# Altium PCB RFFE-Ver1A.PcbDoc (part 5 of 7)
Units mm, origin at the board's own origin, x right, y up, seen from the top; angles counter-clockwise.
Board outline 301.4 x 196.6 mm, 10 copper layers (RFsignal Top, Ground RF signal, Supply, SupplyGND, Digital signal, DigitalGND, CallTone RF, Ground Calltone, Ground RF signal (Plane6), RFsignal Bottom), stack 1.907 mm thick; 558 components, 369 nets, 2153 pads, 4580 vias.
Unrouted connection lines stored in the file: 1.
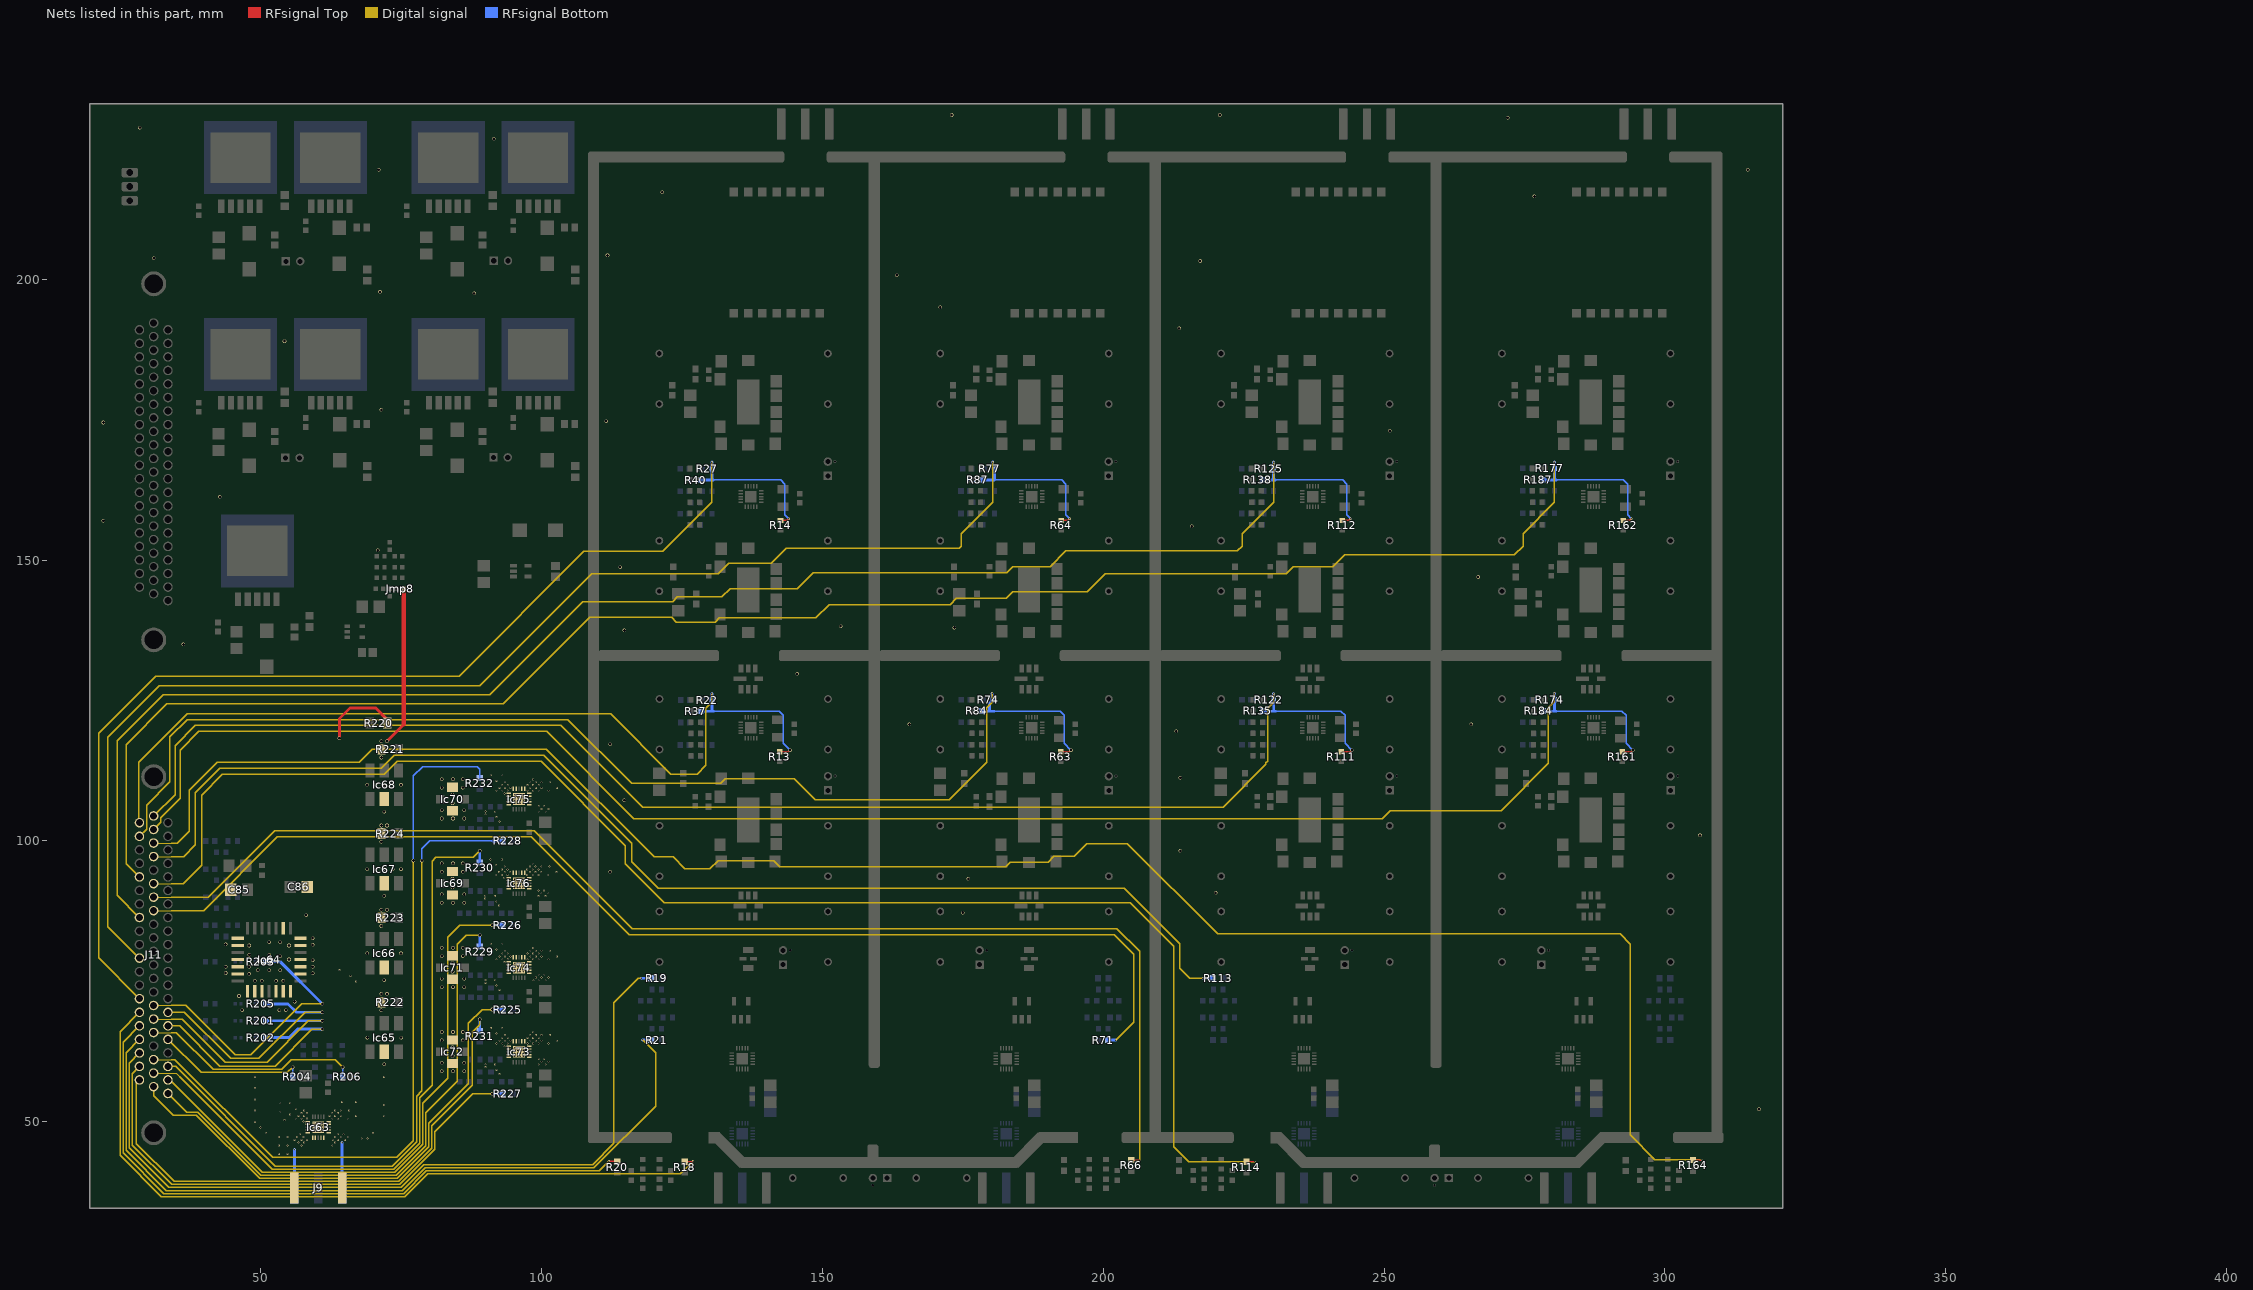
[diagram p13: the nets of this part, all layers, seen from the top]

## Via types
v1: diameter 0.35, hole 0.254, RFsignal Top to RFsignal Bottom, 1882 vias
v2: diameter 0.635, hole 0.508, RFsignal Top to RFsignal Bottom, 1038 vias
v3: diameter 0.33, hole 0.254, RFsignal Top to RFsignal Bottom, 963 vias
v4: diameter 0.381, hole 0.254, RFsignal Top to RFsignal Bottom, 596 vias
v5: diameter 1.27, hole 0.762, RFsignal Top to RFsignal Bottom, 41 vias
v6: diameter 3.9, hole 2.65, RFsignal Top to RFsignal Bottom, 20 vias
v7: diameter 0.85, hole 0.8, RFsignal Top to RFsignal Bottom, 15 vias
v8: diameter 0.635, hole 0.508, RFsignal Top to RFsignal Bottom, tented bottom, 9 vias
v9: diameter 0.6, hole 0.508, RFsignal Top to RFsignal Bottom, 8 vias
v10: diameter 5, hole 3.5, RFsignal Top to RFsignal Bottom, 4 vias
v11: diameter 1.1, hole 1, RFsignal Top to RFsignal Bottom, 2 vias
v12: diameter 1.27, hole 0.762, RFsignal Top to RFsignal Bottom, tented top, 1 vias
v13: diameter 0.85, hole 0.8, RFsignal Top to RFsignal Bottom, tented top, 1 vias

## Nets (pads, with @x,y where several pads share a name; then routed paths per layer and width w, separated by ;. In a path a pad name is that pad's centre, name@x,y a point inside that pad or via, vN(x,y) a via of type N, cw(c..) or ccw(c..) an arc to the next point about the centre after c; other vN are vias at no path point) (continued)
NetJ11_15: J11.15 R205.1 | length 45.1
  Digital signal w0.254: J11.15@33.5,69.51 36.42,69.51 44.639,61.291 49.689,61.291 57.897,69.5 v2(61,69.5)
  RFsignal Bottom w0.508: R205.1@50.85,71 54.9,71 56.4,69.5 v2(61,69.5)
NetJ11_16: J11.16 R202.1 | length 44
  Digital signal w0.254: J11.16@33.5,67.1 35.6,67.1 42.76,59.94 52.58,59.94 59.14,66.5 v2(61,66.5)
  RFsignal Bottom w0.508: R202.1@50.85,65 55.1,65 56.6,66.5 v2(61,66.5)
NetJ11_17: J11.17 R204.1 | length 26.8
  Digital signal w0.254: J11.17@33.5,64.69 39.404,58.786 54.736,58.786 v2(55.7,59.75)
  RFsignal Bottom w0.254: R204.1@55.7,58.02 v2(55.7,59.75)
NetJ11_19: J11.19 R228.2 | length 120.9
  Digital signal w0.254: J11.19@33.5,59.87 34.85,59.87 52.59,42.13 73.439,42.13 77.75,46.441 77.75,54.551 78.7,55.501 v2(78.7,96.5)
  RFsignal Bottom w0.254: v2(78.7,96.5) 78.7,98.6 80.1,100 91.25,100
  RFsignal Bottom w0.508: 91.25,100 R228.2@93.05,100
NetJ11_20: J11.20 R226.2 | length 103.6
  Digital signal w0.254: J11.20@33.5,57.46 33.851,57.46 50.269,41.042 73.89,41.042 78.838,45.99 78.838,53.298 83.31,57.77 83.31,82.9 85.41,85 v2(91.25,85)
  RFsignal Bottom w0.508: v2(91.25,85) R226.2@93.05,85
NetJ11_21: J11.21 R229.2 | length 99
  Digital signal w0.254: J11.21@33.5,55.05 36.805,51.745 38.797,51.745 50.044,40.498 74.115,40.498 79.382,45.765 79.382,51.602 85.01,57.23 85.01,81.62 86.64,83.25 v2(89,83.25)
  RFsignal Bottom w0.508: R229.2@89,81.2 v2(89,83.25)
NetJ11_22: J11.22 R111.1 R122.2 R135.2 | length 259.1
  RFsignal Top w0.254: R111.1@242.41,115.89 243.97,115.89 v2(244.26,116.18)
  Digital signal w0.254: J11.22@30.96,104.455 34.77,108.265 34.77,116.97 38.4,120.6 103.4,120.6 118,106 221.347,106 228.972,113.625 228.972,113.895 229.298,114.221 229.298,123.658 230.33,124.69 v4(230.33,126.27)
  RFsignal Bottom w0.254: 230.65,123.1 242.33,123.1 243.08,122.35 243.08,117.36 v2(244.26,116.18)
  RFsignal Bottom w0.508: R135.2@228.35,123.1 230.65,123.1 ; R122.2@230.33,125.12 v4(230.33,126.27) ; 230.35,123.11 R122.2@230.35,125.15
NetJ11_23: J11.23 R161.1 R174.2 R184.2 | length 311.3
  RFsignal Top w0.254: R161.1@292.41,115.89 293.97,115.89 v2(294.26,116.18)
  Digital signal w0.254: J11.23@30.96,102.045 32.227,103.312 32.227,104.137 35.68,107.59 35.68,116.16 39.02,119.5 100.9,119.5 116.444,103.956 249.646,103.956 251.097,105.407 270.828,105.407 279.248,113.827 279.248,123.708 280.33,124.79 v4(280.33,126.32)
  RFsignal Bottom w0.254: 280.65,123.1 292.33,123.1 293.08,122.35 293.08,117.36 v2(294.26,116.18)
  RFsignal Bottom w0.508: R184.2@278.35,123.1 280.65,123.1 ; R174.2@280.33,125.12 v4@280.33,126.27 ; 280.35,123.12 R174.2@280.35,125.15
NetJ11_24: J11.24 R164.2 | length 343
  RFsignal Top w0.254: R164.2@305,43.2 306.45,43.2 v3(306.5,43.25)
  Digital signal w0.127: J11.24@30.96,99.635 34.087,99.635
  Digital signal w0.254: 34.087,99.635 35.175,99.635 37.312,101.772 37.312,109.071 42.276,114.035 67.554,114.035 69.885,116.366 100.85,116.366 120.059,97.157 123.433,97.157 125.536,95.054 129.995,95.054 131.455,96.514 141.366,96.514 142.445,95.435 182.665,95.435 183.488,96.257 190.172,96.257 191.16,97.245 194.856,97.245 197.105,99.494 204.297,99.494 220.347,83.444 292.025,83.444 293.808,81.661 293.808,47.662 298.22,43.25 v3(306.5,43.25)
NetJ11_25: J11.25 R113.1 | length 222.4
  Digital signal w0.127: J11.25@30.96,97.225 34.087,97.225
  Digital signal w0.254: 34.087,97.225 36.295,97.225 38.4,99.33 38.4,108.621 42.726,112.947 71.454,112.947 73.785,115.278 100.399,115.278 116.11,99.567 116.11,96.292 120.78,91.622 203.746,91.622 213.632,81.736 213.632,77.38 215.412,75.6 v3(217.75,75.6)
  RFsignal Bottom w0.508: v3@217.77,75.57 R113.1@219.55,75.57
NetJ11_27: J11.27 R114.2 | length 266.3
  RFsignal Top w0.254: R114.2@225.5,42.9 v3(227,42.9)
  Digital signal w0.127: J11.27@30.96,92.405 34.087,92.405
  Digital signal w0.254: 34.087,92.405 36.215,92.405 39.488,95.678 39.488,108.17 43.177,111.859 72.009,111.859 74.34,114.19 99.949,114.19 114.948,99.191 114.948,95.915 121.813,89.05 204.779,89.05 212.544,81.285 212.544,45.56 215.204,42.9 v3(227,42.9)
NetJ11_28: J11.28 R66.2 | length 228
  RFsignal Top w0.254: R66.2@205,43.15 v3(206.5,43.15)
  Digital signal w0.127: J11.28@30.96,89.995 34.087,89.995
  Digital signal w0.254: 34.087,89.995 40.712,89.995 52.532,101.815 98.709,101.815 116.129,84.396 202.454,84.396 206.5,80.35 v3(206.5,43.15)
NetJ11_29: J11.29 R71.1 | length 206.6
  Digital signal w0.127: J11.29@30.96,87.585 34.087,87.585
  Digital signal w0.254: 34.087,87.585 39.841,87.585 52.983,100.727 98.214,100.727 115.665,83.276 201.991,83.276 205.412,79.855 205.412,67.712 v3(202.25,64.55)
  RFsignal Bottom w0.508: R71.1@200.8,64.57 v3@202.23,64.57
NetJ11_36: J11.36 R203.1 | length 50.7
  Digital signal w0.127: J11.36@30.96,70.715 34.087,70.715
  Digital signal w0.254: 34.087,70.715 36.675,70.715 45.443,61.947 48.223,61.947 57.276,71 v2(61,71)
  RFsignal Bottom w0.508: R203.1@50.85,78.5 53.5,78.5 v2(61,71)
NetJ11_37: J11.37 R201.1 | length 46.4
  Digital signal w0.127: J11.37@30.96,68.305 34.087,68.305
  Digital signal w0.254: 34.087,68.305 36.065,68.305 43.724,60.646 51.164,60.646 58.519,68 v2(61,68)
  RFsignal Bottom w0.508: R201.1@50.85,68 v2(61,68)
NetJ11_38: J11.38 R206.1 | length 39.4
  Digital signal w0.127: J11.38@30.96,65.895 34.087,65.895
  Digital signal w0.254: 34.087,65.895 34.955,65.895 41.52,59.33 53.72,59.33 55.49,61.1 63.25,61.1 v2(64.6,59.75)
  RFsignal Bottom w0.254: R206.1@64.62,58.03 v2@64.62,59.73
NetJ11_40: J11.40 R232.2 | length 133.9
  Digital signal w0.127: J11.40@30.96,61.075 34.087,61.075
  Digital signal w0.254: 34.087,61.075 34.748,61.075 52.143,43.68 74.22,43.68 77.2,46.66 v2(77.2,96.5)
  RFsignal Bottom w0.254: v2(77.2,96.5) 77.2,111.6 78.85,113.25 88.55,113.25 89,112.8 R232.2@89,111.2
NetJ11_41: J11.41 R230.2 | length 118.7
  Digital signal w0.127: J11.41@30.96,58.665 34.955,58.665 35.59,58.03
  Digital signal w0.254: 35.59,58.03 52.034,41.586 73.665,41.586 78.294,46.215 78.294,54.263 80.53,56.499 80.53,96.43 81.2,97.1 87.85,97.1 v2(89,98.25)
  RFsignal Bottom w0.508: R230.2@89,96.2 v2(89,98.25)
NetJ11_42: J11.42 R225.2 | length 91
  Digital signal w0.254: J11.42@30.96,56.255 30.96,54.65 34.409,51.201 38.571,51.201 49.819,39.954 74.341,39.954 79.926,45.539 79.926,49.716 86.96,56.75 86.96,67.55 89.41,70 v2(91.25,70)
  RFsignal Bottom w0.508: v2(91.25,70) R225.2@93.05,70
NetJ11_43: J11.43 R13.1 R22.2 R37.2 | length 160.5
  RFsignal Top w0.254: R13.1@142.41,115.89 143.97,115.89 v2(144.26,116.18)
  Digital signal w0.254: J11.43@28.42,103.25 28.318,103.352 28.318,114.038 36.89,122.61 112.321,122.61 123.031,111.9 127.7,111.9 129.248,113.448 129.248,123.658 130.33,124.74 v4(130.33,126.27)
  RFsignal Bottom w0.254: 130.65,123.1 142.33,123.1 143.08,122.35 143.08,117.36 v2(144.26,116.18)
  RFsignal Bottom w0.508: R37.2@128.35,123.1 130.65,123.1 ; R22.2@130.33,125.12 v4(130.33,126.27) ; 130.35,123.11 R22.2@130.35,125.1
NetJ11_44: J11.44 R63.1 R74.2 R84.2 | length 215.8
  RFsignal Top w0.254: R63.1@192.41,115.89 193.97,115.89 v2(194.26,116.18)
  Digital signal w0.254: J11.44@28.42,100.84 29.687,102.107 29.687,106.407 33.86,110.58 33.86,118.57 36.89,121.6 104.7,121.6 116.05,110.25 131.928,110.25 132.72,111.042 144.958,111.042 148.7,107.3 172.547,107.3 179.248,114.001 179.248,123.708 180.23,124.69 v4(180.23,126.32)
  RFsignal Bottom w0.254: 180.65,123.1 192.33,123.1 193.08,122.35 193.08,117.36 v2(194.26,116.18)
  RFsignal Bottom w0.508: R84.2@178.25,123.1 179.74,123.1 ; R74.2@180.23,125.12 v4@180.23,126.27 ; R74.2@180.35,125.15 180.327,125.15 179.74,124.563 179.74,123.1 ; 180.55,123.1 179.74,123.1
NetJ11_47: J11.47 R162.1 R177.2 R187.2 | length 332.4
  RFsignal Top w0.254: R162.1@292.55,157.08 293.74,157.08 v4(294.04,157.38)
  Digital signal w0.254: J11.47@28.42,93.61 26.065,95.965 26.065,117.16 33.319,124.414 93.195,124.414 108.589,139.808 123.163,139.808 124.003,138.968 130.888,138.968 131.62,139.7 148.829,139.7 151.183,142.055 172.736,142.055 173.858,143.177 182.703,143.177 183.885,144.359 197.122,144.359 200.363,147.6 232.62,147.6 233.808,148.788 240.861,148.788 243.023,150.95 273.196,150.95 274.746,152.5 274.746,154.742 280.33,160.326 v4(280.33,167.44)
  RFsignal Bottom w0.254: 280.65,164.27 292.62,164.27 293.34,163.55 293.34,158.08 v4(294.04,157.38)
  RFsignal Bottom w0.508: R187.2@278.35,164.27 280.65,164.27 ; 280.33,164.28 R177.2@280.33,166.33 ; R177.2@280.33,166.29 v4(280.33,167.44)
NetJ11_50: J11.50 R112.1 R125.2 R138.2 | length 291.6
  RFsignal Top w0.254: R112.1@242.55,157.08 243.74,157.08 v4(244.04,157.38)
  Digital signal w0.254: J11.50@28.42,86.38 24.433,90.367 24.433,117.836 32.643,126.046 90.759,126.046 107.321,142.608 123.345,142.608 124.181,143.444 132.114,143.444 133.604,144.934 145.536,144.934 148.363,147.76 182.838,147.76 183.912,148.834 190.547,148.834 193.363,151.65 223.896,151.65 224.746,152.5 224.746,154.742 230.33,160.326 v4(230.33,167.44)
  RFsignal Bottom w0.254: 230.65,164.27 242.62,164.27 243.34,163.55 243.34,158.08 v4(244.04,157.38)
  RFsignal Bottom w0.508: R138.2@228.35,164.27 230.65,164.27 ; 230.33,164.29 R125.2@230.33,166.3 ; R125.2@230.33,166.29 v4(230.33,167.44)
NetJ11_53: J11.53 R64.1 R77.2 R87.2 | length 251.6
  RFsignal Top w0.254: R64.1@192.55,157.08 193.74,157.08 v4(194.04,157.38)
  Digital signal w0.254: J11.53@28.42,79.15 22.801,84.769 22.801,118.512 31.967,127.678 89.021,127.678 108.923,147.58 131.49,147.58 133.34,149.43 140.873,149.43 143.543,152.1 174.346,152.1 174.746,152.5 174.746,154.742 180.33,160.326 v4(180.33,167.44)
  RFsignal Bottom w0.254: 180.65,164.27 192.62,164.27 193.34,163.55 193.34,158.08 v4(194.04,157.38)
  RFsignal Bottom w0.508: R87.2@178.35,164.27 180.65,164.27 180.65,165.97 R77.2@180.35,166.27 ; R77.2@180.33,166.29 v4(180.33,167.44)
NetJ11_56: J11.56 R14.1 R27.2 R40.2 | length 210.1
  RFsignal Top w0.254: R14.1@142.55,157.08 143.74,157.08 v4(144.04,157.38)
  Digital signal w0.254: J11.56@28.42,71.92 21.169,79.171 21.169,119.188 31.291,129.31 85.321,129.31 107.555,151.544 121.548,151.544 130.33,160.326 v4(130.33,167.44) v4@130.298,167.408
  RFsignal Bottom w0.254: 130.65,164.27 142.62,164.27 143.34,163.55 143.34,158.08 v4(144.04,157.38)
  RFsignal Bottom w0.508: R40.2@128.35,164.27 130.65,164.27 ; 130.33,164.29 R27.2@130.33,166.25 ; R27.2@130.33,166.29 v4(130.33,167.44)
NetJ11_57: J11.57 R18.2 | length 136.1
  RFsignal Top w0.254: R18.2@125.5,42.9 126.9,42.9 v3(127,43)
  Digital signal w0.254: J11.57@28.42,69.51 24.977,66.067 24.977,44.023 32.31,36.69 75.693,36.69 79.743,40.74 124.74,40.74 v3(127,43)
NetJ11_58: J11.58 R20.2 | length 117.2
  RFsignal Top w0.254: v3(112,43) R20.2@113.5,43
  Digital signal w0.254: J11.58@28.42,67.1 25.521,64.201 25.521,44.479 32.766,37.234 75.467,37.234 79.517,41.284 110.284,41.284 v3(112,43)
NetJ11_59: J11.59 R21.1 | length 138.4
  Digital signal w0.254: J11.59@28.42,64.69 26.065,62.335 26.065,44.935 33.222,37.778 75.242,37.778 79.292,41.828 109.328,41.828 120.3,52.8 120.3,62.3 v3(118,64.6)
  RFsignal Bottom w0.508: v3(118,64.6) R21.1@119.52,64.6
NetJ11_60: J11.60 R19.1 | length 143.6
  Digital signal w0.254: J11.60@28.42,62.28 26.609,60.469 26.609,45.391 33.678,38.322 75.017,38.322 79.067,42.372 109.103,42.372 112.9,46.169 112.9,71.23 117.22,75.55 v3(117.75,75.55)
  RFsignal Bottom w0.508: v3@117.77,75.57 R19.1@119.55,75.57
NetJ11_61: J11.61 R227.2 | length 91.9
  Digital signal w0.254: J11.61@28.42,59.87 27.153,58.603 27.153,45.847 34.134,38.866 74.791,38.866 81.014,45.089 81.014,48.264 87.75,55 v2(91.25,55)
  RFsignal Bottom w0.508: v2(91.25,55) R227.2@93.05,55
NetJ11_62: J11.62 R231.2 | length 97.9
  Digital signal w0.254: J11.62@28.42,57.46 27.87,56.91 27.87,46.13 34.59,39.41 74.566,39.41 80.47,45.314 80.47,49.35 87.66,56.54 87.66,65.94 89,67.28 v2(89,68.25)
  RFsignal Bottom w0.508: R231.2@89,66.2 v2(89,68.25)
PGND: C85.2 C86.1 Ic63.1 Ic63.2 Ic63.4 Ic63.5 Ic63.6 Ic63.7 Ic63.9 Ic63.10 Ic63.11 Ic63.12 Ic63.14 Ic63.15 Ic63.21 Ic64.2 Ic64.3 Ic64.4 Ic64.6 Ic64.7 Ic64.8 Ic64.10 Ic64.11 Ic64.17 Ic64.19 Ic64.20 Ic64.22 Ic64.23 Ic64.24 Ic64.26 Ic64.27 Ic64.28 Ic65.2 Ic66.2 Ic67.2 Ic68.2 Ic69.2 Ic69.4 Ic70.2 Ic70.4 Ic71.2 Ic71.4 Ic72.2 Ic72.4 Ic73.1 Ic73.2 Ic73.4 Ic73.5 Ic73.6 Ic73.7 Ic73.9 Ic73.10 Ic73.11 Ic73.12 Ic73.14 Ic73.15 Ic73.21 Ic74.1 Ic74.2 Ic74.4 Ic74.5 Ic74.6 Ic74.7 Ic74.9 Ic74.10 Ic74.11 Ic74.12 Ic74.14 Ic74.15 Ic74.21 Ic75.1 Ic75.2 Ic75.4 Ic75.5 Ic75.6 Ic75.7 Ic75.9 Ic75.10 Ic75.11 Ic75.12 Ic75.14 Ic75.15 Ic75.21 Ic76.1 Ic76.2 Ic76.4 Ic76.5 Ic76.6 Ic76.7 Ic76.9 Ic76.10 Ic76.11 Ic76.12 Ic76.14 Ic76.15 Ic76.21 J9.1 J9.2 J9.3 J9.4 Jmp8.1 R220.1 R221.1 R222.1 R223.2 R224.2 | length 57.6
  RFsignal Top w0.508: v2(64.02,118.28) 64.02,121.79 65.88,123.65 70.48,123.65 72.55,121.58 R220.1@72.55,121 ; v2(72.49,117.76) 75.5,120.77
  RFsignal Top w0.762: 75.5,120.77 Jmp8.1@75.5,144.95
  RFsignal Bottom w0.508: J9.2@56.001,38.24 v3@56.001,45.049 ; J9.1@64.501,38.24 v3(64.5,46.3)
  other v1: 68,47 69,47 51,48 70,48 50,49 49,50 72,51 49,52 72,53 49,54 49,56 49,58 72,58 67,75 66,76 64,77
  other v2: 316.75,52.25 82.25,59 84.25,59 86.25,59 72,60.25 82.25,60.5 86.25,60.5 84.15,61.75 84.15,63.25 82.25,64.5 86,64.5 69,65 70.5,65 72,65 73.5,65 75,65 82.25,66 84.25,66 86,66 71.51,69.88 46.7,69.9 53.35,69.9 54.5,69.9 56.05,71.4 46.15,72.4 71.5,72.77 72.5,72.77 82.25,74 84.25,74 86.25,74 48.95,75.1 50.2,75.1 52.75,75.1 54.05,75.1 71.99,75.24 82.25,75.5 86.25,75.5 47.95,76.35 59.25,76.45 43.75,76.5 84.15,76.75 49.5,77 51.5,77 53.5,77 43.75,77.6 47.95,77.6 59.25,77.6 84.15,78.25 59.25,78.8 55.05,78.9 53.5,79.5 82.25,79.5 86,79.5 48,79.75 51.5,79.76 68.99,79.99 70.49,79.99 71.99,79.99 73.49,79.99 74.99,79.99 82.25,81 84.25,81 86,81 47.95,81.4 55.05,81.4 59.25,81.5 43.75,81.6 51.5,82 53.5,82 59.25,82.7 71.5,84.87 58.1,86.8 175,87.25 71.49,87.76 72.49,87.76 82.25,89 84.25,89 86.25,89 71.99,90.24 82.25,90.5 86.25,90.5 220,90.75 84.15,91.75 84.15,93.25 176,93.25 82.25,94.5 86,94.5 112.25,94.5 68.99,94.99 70.49,94.99 71.99,94.99 73.49,94.99 74.99,94.99 82.25,96 84.25,96 86,96 213.75,98.25 71.5,99.87 306.25,101 71.49,102.76 72.49,102.76 82.25,104 84.25,104 86.25,104 71.99,105.24 82.25,105.5 86.25,105.5 84.15,106.75 114.75,107.25 84.15,108.25 82.25,109.5 86,109.5 68.99,109.99 70.49,109.99 71.99,109.99 73.49,109.99 74.99,109.99 82.25,111 84.25,111 86,111 213.75,111.25 71.5,114.87 112.25,117.25 71.49,117.76 213,119.5 165.5,120.75 265.5,120.75 145.5,129.75 36.25,135 114.75,137.5 173.5,138 153.25,138.25 266.75,147 114,148.75 70.86,151.74 215.75,156 22,157 42.75,161.25 251,173 22,174.5 111.5,174.75 71.5,176.75 54.25,189 213.5,191.25 171,195 88,197.5 71.25,197.75 163.25,200.75 217.25,203.25 31,203.75 111.75,204.25 276.75,214.75 121.5,215.5 71,219.5 314.75,219.5 91.5,225 28.5,227 272,228.75 173,229.25 220.75,229.25
  other v3: 53.25,44.3 54.75,44.3 56,45.05 53.25,45.8 54.75,45.8 57.25,45.8 62.75,45.8 56.75,46.3 57.75,46.3 63.25,46.3 56,46.8 57.25,46.8 58.25,46.8 62.85,46.8 63.75,46.8 65,46.8 53.25,47.3 54.75,47.3 56.5,47.3 57.65,47.3 63.25,47.3 64.25,47.3 65.5,47.3 57,47.8 63.75,47.8 64.75,47.8 59.5,48.3 60,48.3 60.5,48.3 61,48.3 59.5,48.8 60,48.8 60.5,48.8 61,48.8 59.5,49.3 60,49.3 60.5,49.3 61,49.3 59.5,49.8 60,49.8 60.5,49.8 61,49.8 57.65,50.05 54.25,50.3 56.25,50.55 57.25,50.55 62.75,50.55 63.75,50.55 65.5,50.55 58.25,50.575 56.75,51.05 57.75,51.05 62.25,51.05 63.25,51.05 64.25,51.05 67,51.05 55.25,51.3 57.25,51.55 58.25,51.55 62.75,51.55 63.75,51.55 53.5,51.8 57.75,52.05 63.25,52.05 64.25,52.05 65.75,52.05 56.25,52.3 53.5,53.3 55.25,53.3 64.5,53.55 67,53.55 92.5,58.5 92,59.25 90,59.75 91.75,60.2 99.5,60.2 100.75,60.2 90,60.25 100,60.7 101.25,60.7 99.5,61.2 100.5,61.2 95.25,61.7 95.75,61.7 96.25,61.7 96.75,61.7 95.25,62.2 95.75,62.2 96.25,62.2 96.75,62.2 95.25,62.7 95.75,62.7 96.25,62.7 96.75,62.7 95.25,63.2 95.75,63.2 96.25,63.2 96.75,63.2 93.4,63.45 92,63.95 93,63.95 97.5,63.95 98.5,63.95 99.5,63.95 101.25,63.95 94,63.975 92.5,64.45 93.5,64.45 94.475,64.45 98,64.45 99,64.45 100,64.45 102.75,64.45 93,64.95 94,64.95 97.5,64.95 98.5,64.95 99.5,64.95 93.5,65.45 98,65.45 99,65.45 100,65.45 101.5,65.45 92,65.7 98.5,65.95 91,66.7 93,66.7 92.5,73.5 92,74.25 90,74.75 91.75,75.2 98.6,75.2 99.5,75.2 100.75,75.2 90,75.25 99,75.7 100,75.7 101.25,75.7 99.5,76.2 100.5,76.2 95.25,76.7 95.75,76.7 96.25,76.7 96.75,76.7 95.25,77.2 95.75,77.2 96.25,77.2 96.75,77.2 95.25,77.7 95.75,77.7 96.25,77.7 96.75,77.7 95.25,78.2 95.75,78.2 96.25,78.2 96.75,78.2 93.4,78.45 92,78.95 93,78.95 97.5,78.95 98.5,78.95 99.5,78.95 101.25,78.95 94,78.975 92.5,79.45 93.5,79.45 94.475,79.45 98,79.45 99,79.45 100,79.45 102.75,79.45 93,79.95 94,79.95 97.5,79.95 98.5,79.95 99.5,79.95 93.5,80.45 98,80.45 99,80.45 100,80.45 101.5,80.45 92,80.7 98.5,80.95 91,81.7 93,81.7 92.45,88.5 91.95,89.25 89.95,89.75 91.7,90.2 99.45,90.2 100.7,90.2 89.95,90.25 99.95,90.7 101.2,90.7 99.45,91.2 100.45,91.2 95.2,91.7 95.7,91.7 96.2,91.7 96.7,91.7 95.2,92.2 95.7,92.2 96.2,92.2 96.7,92.2 95.2,92.7 95.7,92.7 96.2,92.7 96.7,92.7 95.2,93.2 95.7,93.2 96.2,93.2 96.7,93.2 93.35,93.45 91.95,93.95 92.95,93.95 97.45,93.95 98.45,93.95 99.45,93.95 101.2,93.95 93.95,93.975 92.45,94.45 93.45,94.45 94.425,94.45 97.95,94.45 98.95,94.45 99.95,94.45 102.7,94.45 92.95,94.95 93.95,94.95 97.45,94.95 98.45,94.95 99.45,94.95 93.45,95.45 97.95,95.45 98.95,95.45 99.95,95.45 101.45,95.45 91.95,95.7 98.45,95.95 90.95,96.7 92.95,96.7 92.5,103.5 92,104.25 90,104.75 91.75,105.2 99.5,105.2 100.75,105.2 90,105.25 100,105.7 101.25,105.7 99.5,106.2 100.5,106.2 95.25,106.7 95.75,106.7 96.25,106.7 96.75,106.7 95.25,107.2 95.75,107.2 96.25,107.2 96.75,107.2 95.25,107.7 95.75,107.7 96.25,107.7 96.75,107.7 95.25,108.2 95.75,108.2 96.25,108.2 96.75,108.2 93.4,108.45 92,108.95 93,108.95 97.5,108.95 98.5,108.95 99.5,108.95 101.25,108.95 94,108.975 92.5,109.45 93.5,109.45 94.475,109.45 98,109.45 99,109.45 100,109.45 102.75,109.45 93,109.95 94,109.95 97.5,109.95 98.5,109.95 99.5,109.95 93.5,110.45 98,110.45 99,110.45 100,110.45 101.5,110.45 92,110.7 98.5,110.95 91,111.7 93,111.7